# Altium PCB 哨兵1号.PcbDoc
Units mm, origin at the board's own origin, x right, y up, seen from the top; angles counter-clockwise.
Board outline 93.6 x 73.28 mm, 2 copper layers (Top Layer, Bottom Layer); 52 components, 56 nets, 206 pads, 78 vias.
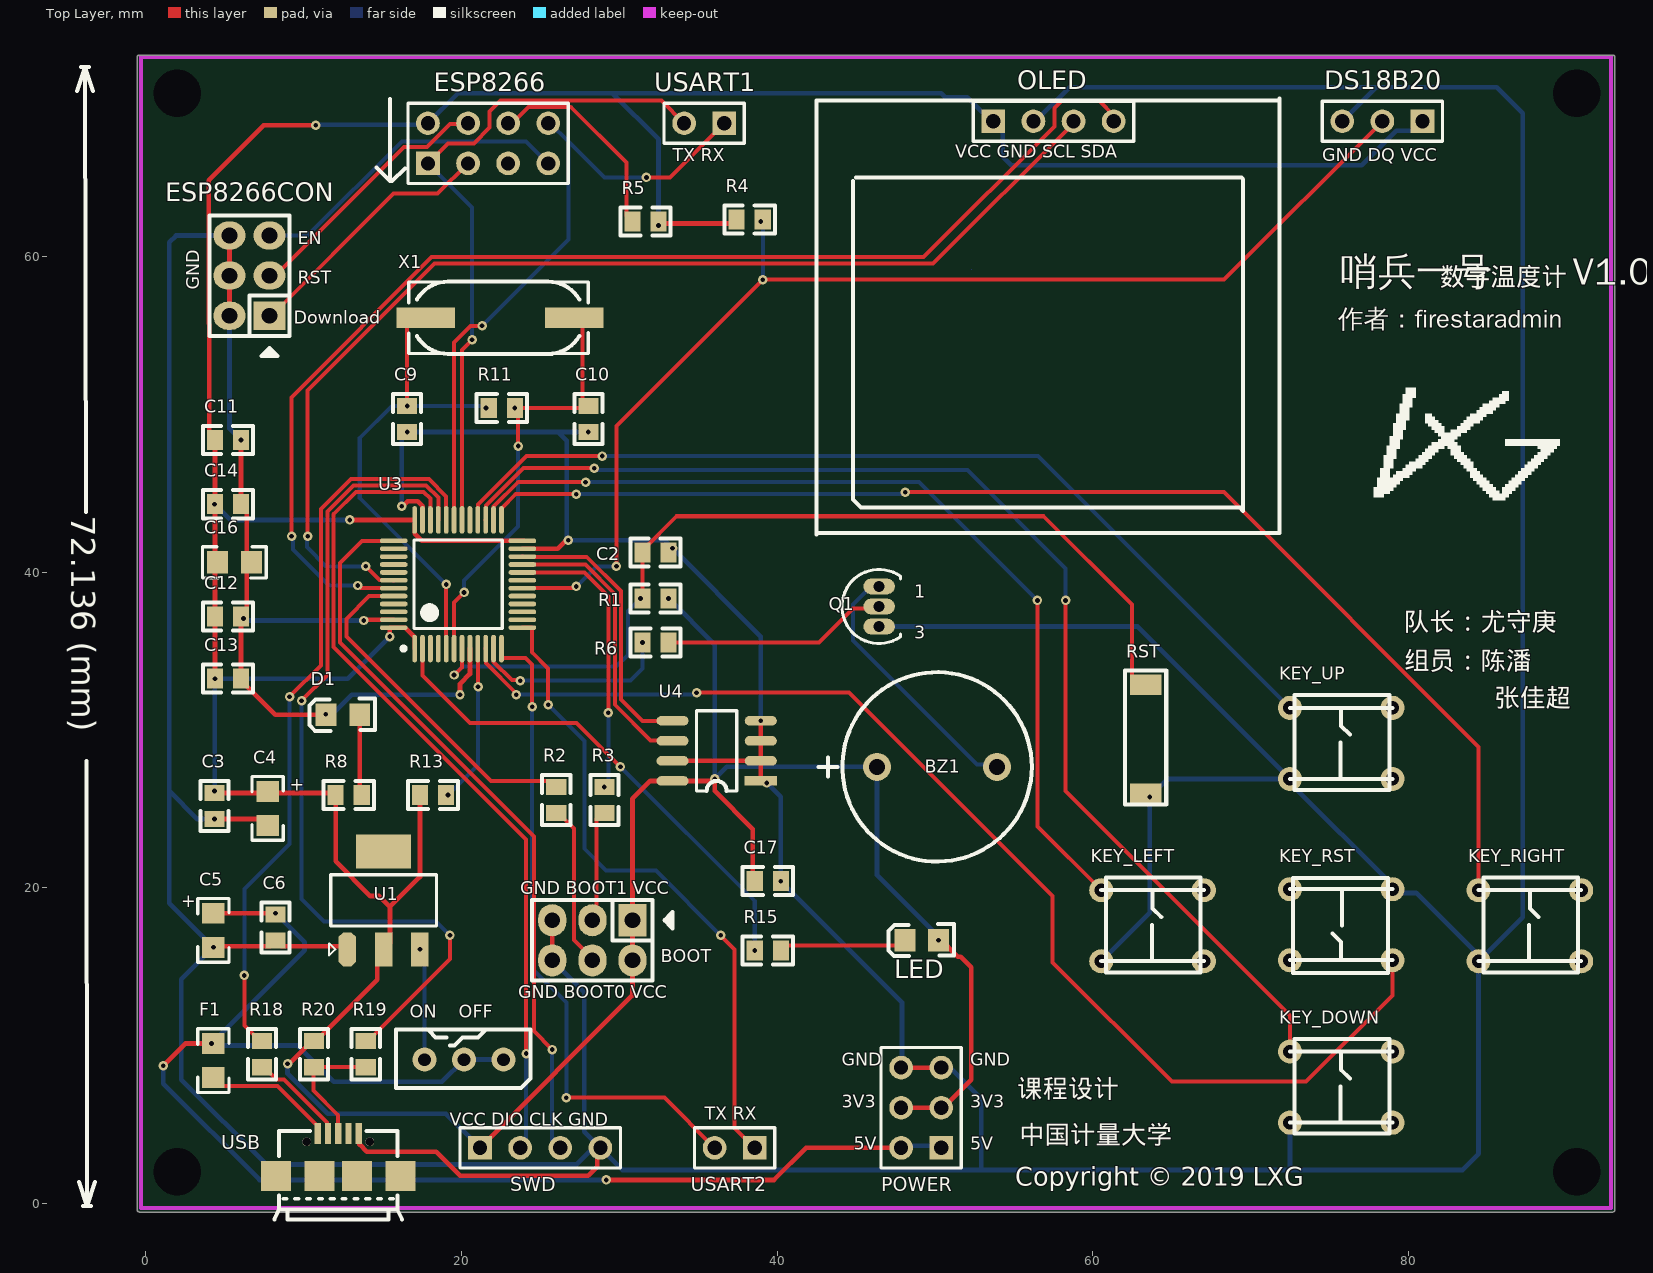
[diagram p0: Top Layer view]
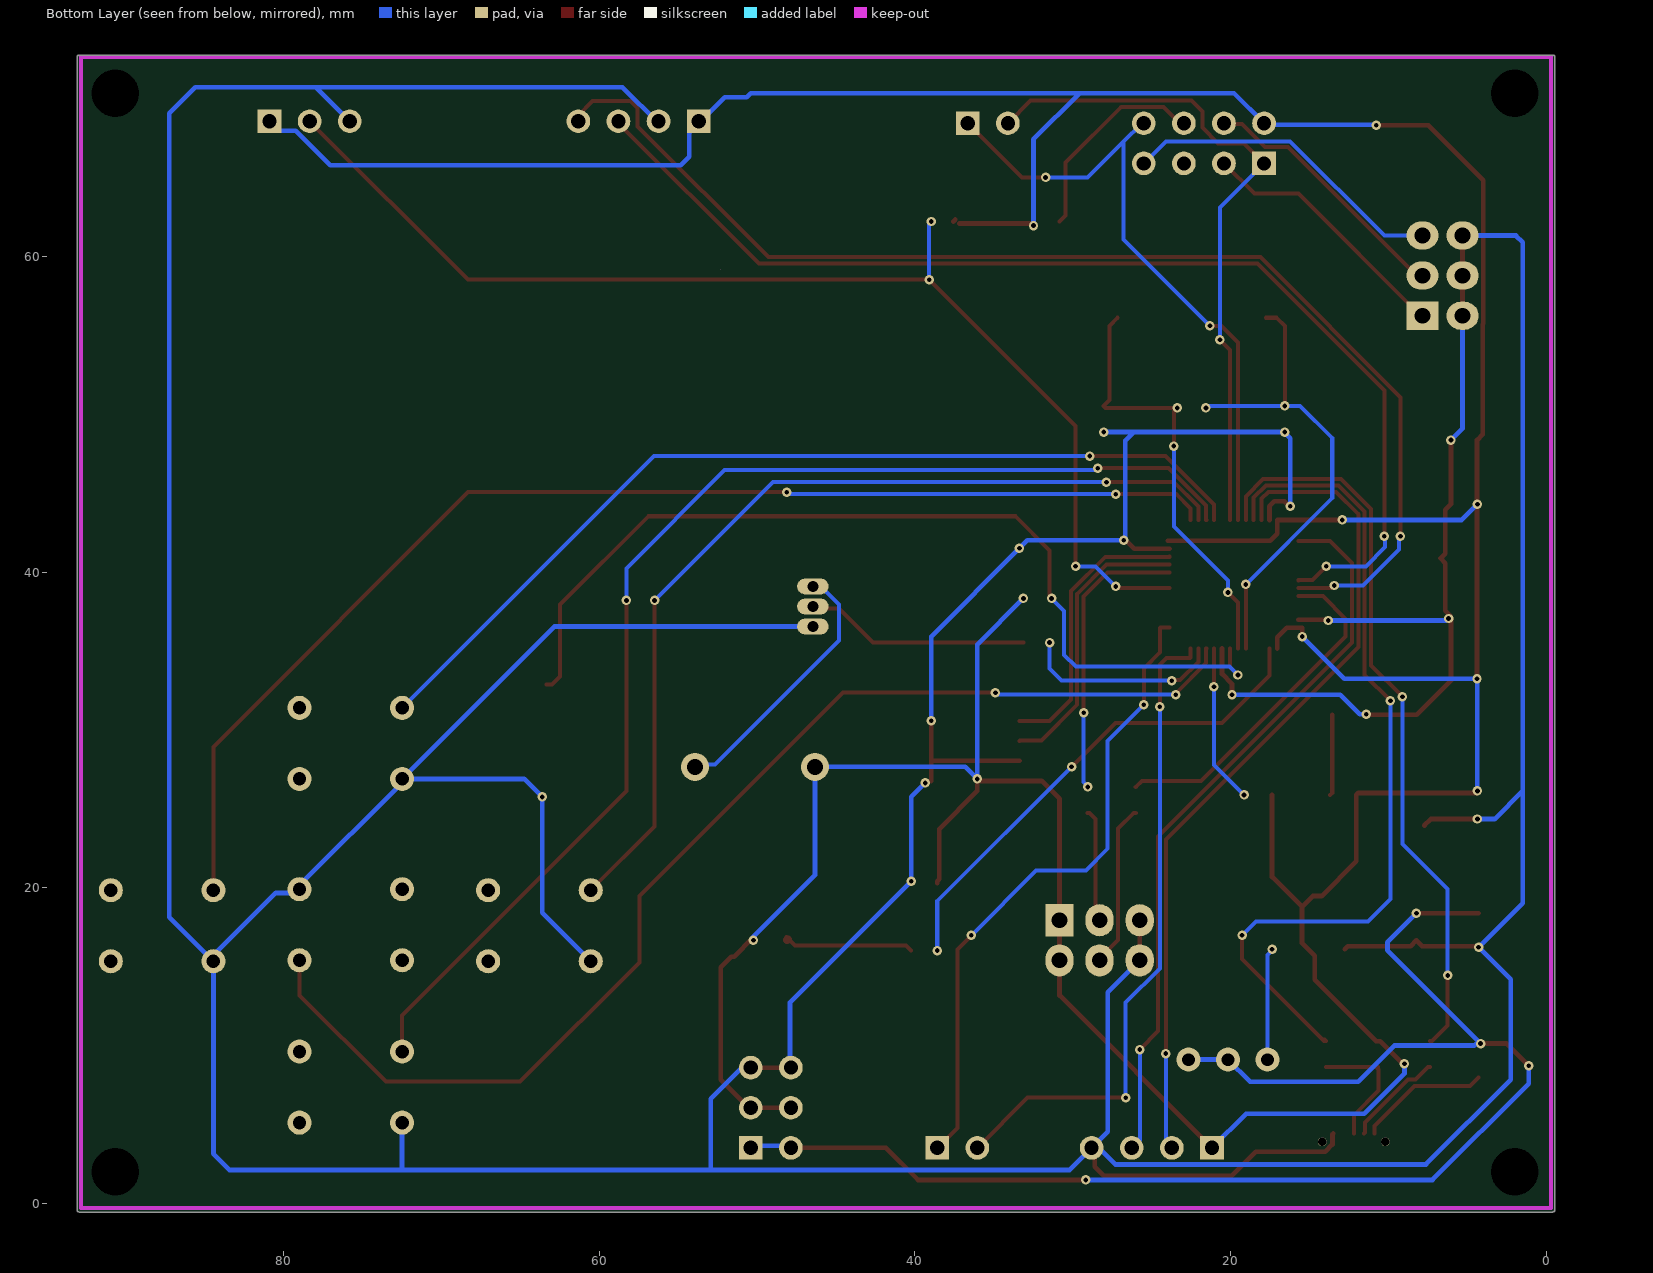
[diagram p1: Bottom Layer view, seen from below]

## Layer stack, top to bottom
Top Solder: solder mask 0.0102, Solder Resist, Dk 3.5
Top Layer: signal copper 0.0356
Dielectric 1: dielectric 0.32, FR-4, Dk 4.8
Bottom Layer: signal copper 0.0356
Bottom Solder: solder mask 0.0102, Solder Resist, Dk 3.5

## Board outline
-0.52,-0.346 cw(c-0.409,-0.282) -0.537,-0.282 -0.537,72.616 cw(c-0.409,72.616) -0.409,72.743 92.936,72.743 cw(c92.936,72.616) 93.063,72.616 93.063,-0.409 cw(c92.936,-0.409) 92.936,-0.537 -0.409,-0.537 cw(c-0.409,-0.409)
cut-out: 52.296,59.154

## Design rules (kind name [scope] priority, off if disabled: settings)
Clearance [All] p1: gap=0.15 ignorepadtopadclearanceinfootprint=FALSE
PolygonConnect [All] p1: connectstyle=Relief reliefconductorwidth=0.254 reliefentries=4 polygonreliefangle="90 Angle" airgapwidth=0.254
RoutingVias [All] p1: holewidth=0.254 width=0.508 viastyle="Through Hole" minholewidth=0.254 minwidth=0.508 maxholewidth=0.711 maxwidth=1.27
SilkToSilkClearance [All] p1: silktosilkclearance=0.05
SilkToSolderMaskClearance [IsPad] p1: minsilkscreentomaskgap=0.05 clearancetoexposedcopper=TRUE
SolderMaskExpansion [All] p1: expansion=0.102
Width 5V [InNet('5V')] p1: maxlimit=0.3 minlimit=0.15 preferedwidth=0.3
Width GND [InNet('GND')] p2: maxlimit=0.3 minlimit=0.15 preferedwidth=0.3
Width 3V3 [InNet('VBAT')] p3: maxlimit=0.3 minlimit=0.3 preferedwidth=0.3
Width Net [All] p4: maxlimit=0.254 minlimit=0.15 preferedwidth=0.254
28 further rules are at their usual default settings.

## Components (designator, comment, footprint, x,y, rotation, side; value= is the part's Value field where it differs from the comment)
BOOT "HDR2x3" PIN-2x3-2.54-1.0 28.293,16.673 r180 top
BZ1 "BUZZER" BUZZER_12*9.5_pin_7.6mm 46.327,27.658 r0 top
C2 "104" RC0603 31.468,41.247 r0 top value=100nF
C3 "104" RC0603 4.366,26.007 r270 top
C4 "10uF" RC0805 7.719,26.108 r270 top
C5 "10uF" RC0805 4.29,18.387 r270 top
C6 "104" RC0603 8.227,18.313 r270 top
C9 "22pF" RC0603 16.565,50.518 r270 top value=20pF
C10 "22pF" RC0603 28.039,50.518 r270 top value=20pF
C11 "104" RC0603 4.391,48.359 r0 top value=100nF
C12 "104" RC0603 4.391,37.183 r0 top value=100nF
C13 "104" RC0603 4.391,33.246 r0 top value=100nF
C14 "104" RC0603 4.391,44.295 r0 top value=100nF
C16 "10uF" RC0805 4.544,40.612 r0 top
C17 "104" RC0603 40.231,20.419 r180 top
D1 "LED0" LED0805 13.561,30.96 r0 top
DS18B20 "Header 3" HDR1X3 80.871,68.552 r180 top
ESP8266 "Header 4X2" HDR2X4 17.879,65.885 r0 top
ESP8266CON "HDR2x3" PIN-2x3-2.54-1.0 6.576,58.773 r90 top
F1 "500mA" RC0805 4.29,10.132 r270 top
KEY_DOWN "KEY-4P" KEY_6.5x4.5 72.477,5.124 r0 top
KEY_LEFT "KEY-4P" KEY_6.5x4.5 60.528,15.347 r0 top
KEY_RIGHT "KEY-4P" KEY_6.5x4.5 84.427,15.347 r0 top
KEY_RST "KEY-4P" KEY_6.5x4.5 78.977,19.911 r180 top
KEY_UP "KEY-4P" KEY_6.5x4.5 72.477,26.896 r0 top
LED "LED0" LED0805 50.22,16.687 r0 top (schematic designator D2)
OLED "OLED_IIC" OLED_IIC 42.503,42.379 r0 top
"ON    OFF" "Switch_3P_2.5mmjianju" Switch_3p_2.5mmjianju 22.665,9.116 r90 top (schematic designator Switch)
POWER "Header 3X2" IDE3X2-2.54 50.391,3.528 r90 top (schematic designator Power)
Q1 "NPN" TO-92 46.454,37.818 r0 top
R1 "10K" RC0603 31.468,38.326 r0 top
R2 "10K" RC0603 26.007,26.388 r270 top
R3 "10K" RC0603 29.055,24.737 r90 top
R4 "4.7K" RC0603 37.437,62.329 r0 top
R5 "4.7K" RC0603 32.484,62.202 r180 top
R6 "1K" RC0603 33.119,35.532 r180 top
R8 "510R" RC0603 13.688,25.88 r180 top
R11 "1M" RC0603 23.381,50.391 r180 top
R13 "0R" RC0603 19.022,25.88 r180 top
R15 "510R" RC0603 38.58,16.022 r0 top
R18 "22R" RC0603 7.371,10.284 r270 top
R19 "22R" RC0603 13.942,10.284 r270 top
R20 "1.5K" RC0603 10.657,10.284 r270 top
RST "SW-SPST" SMT-KEY 63.345,32.865 r180 top (schematic designator S1)
SWD "SWD" HDR1X4 21.181,3.528 r0 top
U1 "AMS1117-3.3" SOT223 12.771,16.101 r0 top
U3 "STM32F103C8T6" LQFP48 17.038,35.151 r0 top
U4 "AT24C04" SOIC-8P 38.961,26.769 r90 top
USART1 "Header 2" HDR1X2 36.645,68.425 r180 top
USART2 "Header 2" HDR1X2 38.58,3.528 r180 top
USB "USB Slave_c" "MICRO USB CONNECTOR TYPEB-ST-MC-5F-01" 12.196,0.309 r0 top
X1 "8M" SMD49S 27.15,56.106 r180 top value=8MHz

## Footprints (in the part's own frame and the unit in brackets; to place one, negate y for a bottom-side part, rotate by r counter-clockwise, add the part's x,y. Pads: shape width x height; smd on the part's side, far side on the other; paste and mask are expansions set on the pad)
BUZZER_12*9.5_pin_7.6mm [mil]
  round 70 hole 39.37: 1(0,0) 2(299.21,0)
  silkscreen extent -146,-236 386,236, body extent -83,-240 390,232, height 339
HDR1X2 [mm] "Connector; Header; 2 Position"
  rect 1.5x1.5 hole 0.9: 1(0,0)
  round 1.5 hole 0.9: 2(2.54,0)
  silkscreen extent -1.27,-1.27 3.81,1.27
HDR1X3 [mm] "Connector; Header; 3 Position"
  rect 1.5x1.5 hole 0.9: 1(0,0)
  round 1.5 hole 0.9: 2(2.54,0) 3(5.08,0)
  silkscreen extent -1.27,-1.27 6.35,1.27
HDR1X4 [mm] "Connector; Header; 4 Position"
  rect 1.5x1.5 hole 0.9: 1(0,0)
  round 1.5 hole 0.9: 2(2.54,0) 3(5.08,0) 4(7.62,0)
  silkscreen extent -1.27,-1.27 8.89,1.27
HDR2X4 [mm] "Connector; Header; 4x2 Position"
  rect 1.5x1.5 hole 0.9: 1(0,0)
  round 1.5 hole 0.9: 2(0,2.54) 3(2.54,0) 4(2.54,2.54) 5(5.08,0) 6(5.08,2.54) 7(7.62,0) 8(7.62,2.54)
  silkscreen extent -1.27,-1.27 8.89,3.81
IDE3X2-2.54 [mm]
  rect 1.5x1.5 hole 0.9: 1(0,0)
  round 1.5 hole 0.9: 2(0,2.54) 3(2.54,0) 4(2.54,2.54) 5(5.08,0) 6(5.08,2.54)
  silkscreen extent -1.27,-1.27 6.35,3.81
KEY_6.5x4.5 [mm]
  round 1.524 hole 0.85: 1(0,4.5) 2(6.5,4.5) 3(0,0) 4(6.5,0)
  silkscreen extent 0,-0.7 6.5,5.3
LED0805 [mil]
  rect 52x56 smd: 1(0,0) 2(-84,0)
  Top Layer lines w20: -86,2 -84,0
  silkscreen extent -125,-40 38,40
LQFP48 [mm]
  oval 0.3x1.75 smd: 1(0,0) 2(0.5,0) 3(1,0) 4(1.5,0) 5(2,0) 6(2.5,0) 7(3,0) 8(3.5,0) 9(4,0) 10(4.5,0) 11(5,0) 12(5.5,0) 25(5.5,8.15) 26(5,8.15) 27(4.5,8.15) 28(4,8.15) 29(3.5,8.15) 30(3,8.15) 31(2.5,8.15) 32(2,8.15) 33(1.5,8.15) 34(1,8.15) 35(0.5,8.15) 36(0,8.15)
  oval 1.75x0.3 smd: 13(6.825,1.325) 14(6.825,1.825) 15(6.825,2.325) 16(6.825,2.825) 17(6.825,3.325) 18(6.825,3.825) 19(6.825,4.325) 20(6.825,4.825) 21(6.825,5.325) 22(6.825,5.825) 23(6.825,6.325) 24(6.825,6.825) 37(-1.325,6.825) 38(-1.325,6.325) 39(-1.325,5.825) 40(-1.325,5.325) 41(-1.325,4.825) 42(-1.325,4.325) 43(-1.325,3.825) 44(-1.325,3.325) 45(-1.325,2.825) 46(-1.325,2.325) 47(-1.325,1.825) 48(-1.325,1.325)
  silkscreen extent -0.82,-0.12 5.55,6.88
"MICRO USB CONNECTOR TYPEB-ST-MC-5F-01" [mm] "Micro USB Connector, Type B, ST-MC-5F-01"
  round 0.55 hole 0.55 unplated: 0(-2,3.6) 0(2,3.6)
  rect 0.4x1.35 smd: 1(-1.3,4.125) 2(-0.65,4.125) 3(0,4.125) 4(0.65,4.125) 5(1.3,4.125)
  rect 1.9x1.9 smd: 6(-3.95,1.45) 7(3.95,1.45) 8(-1.2,1.45) 9(1.2,1.45)
  silkscreen extent -4.05,-1.33 4.05,4.3, body extent -3.99,-1.13 3.99,4.3, height 2.72
OLED_IIC [mm]
  rect 1.5x1.5 hole 0.9: 1(11.19,26.173)
  round 1.5 hole 0.9: 2(13.73,26.173) 3(16.27,26.173) 4(18.81,26.173)
  silkscreen extent 0,0 29.3,27.6
PIN-2x3-2.54-1.0 [mil] "Pin Header"
  rect 70x80 hole 39.37: 1(-100,-50)
  oval 70x80 hole 39.37: 2(-100,50) 3(0,-50) 4(0,50) 5(100,-50) 6(100,50)
  silkscreen extent -200,-100 150,100, body extent -150,-100 150,100, height 398
RC0603 [mil]
  rect 40x50 smd: 1(0,0) 2(65,0)
  silkscreen extent -30,-35 95,35
RC0805 [mil]
  rect 52x56 smd: 1(0,0) 2(85,0)
  silkscreen extent -37,-39 122,39
SMD49S [mil]
  rect 146x51 smd: 1(0,0) 2(370,0)
  silkscreen extent -35,-90 413,90
SMT-KEY [mm]
  rect 2x1.3 smd paste+0 mask+0.2: 1(0,0) 2(0,6.9)
  silkscreen extent -1.3,-0.89 1.3,7.6
SOIC-8P [mil]
  rect 24x80 smd mask+3: 1(0,0)
  oval 24x80 smd mask+3: 2(50,0) 3(100,0) 4(150,0) 5(150,220) 6(100,220) 7(50,220) 8(0,220)
  silkscreen extent -25,60 175,160
SOT223 [mm]
  oct 1.1x2.15 smd: 1(0,0)
  rect 1.1x2.15 smd: 2(2.3,0) 3(4.6,0)
  rect 3.5x2.15 smd: 4(2.3,6.2)
  silkscreen extent -1.14,-0.38 5.65,4.72
Switch_3p_2.5mmjianju [mil]
  round 60 hole 31.5: 1(0,0) 2(0,98.43) 3(0,196.85)
  silkscreen extent -71,-67 75,268
TO-92 [mm] "TO, Flat Index; 3 In-Line, Axial Leads; Body Dia. 4.6mm; Leads 0.41 x 0.39 mm (max)"
  oval 2x1 hole 0.7: 1(0,1.27) 2(0,0) 3(0,-1.27)
  silkscreen extent -2.34,-2.34 1.35,2.34

## Part data
BOOT ESP8266CON: "Connector"
BZ1: "Buzzer"
C2 C9 C10 C11 C12 C13 C14: library part CAP1, "Capacitor", Tolerate=50V, PCB_Layout="Top Layer SMC", Publisher=ZL_A0OFFICE, Revision=2012-3-28
  C2 C11 C12 C13 C14: ERP=0103020075, TOL=10%
  C9 C10: ERP=0103020090, TOL=2%
C3 C17: library part Cap, "Capacitor"
  C3: LatestRevisionDate=17-Jul-2002, LatestRevisionNote="Re-released for DXP Platform.", PackageReference=RAD-0.3, Published=8-Jun-2000, Publisher="Altium Limited"
C4: library part "CAPACITOR POL", "Capacitor"
C5 C16: library part ELECTRO2
C6: library part CAP, "Capacitor"
D1 LED: "Typical INFRARED GaAs LED"
DS18B20: "Header, 3-Pin", LatestRevisionDate=17-Jul-2002, LatestRevisionNote="Re-released for DXP Platform.", Publisher="Altium Limited"
ESP8266: "Header, 4-Pin, Dual row", LatestRevisionDate=17-Jul-2002, LatestRevisionNote="Re-released for DXP Platform.", Publisher="Altium Limited"
F1 R6 R18 R19 R20: library part Res2, "Resistor"
KEY_DOWN KEY_LEFT KEY_RIGHT KEY_RST KEY_UP: "Key"
POWER: "Header, 3-Pin, Dual row", LatestRevisionDate=17-Jul-2002, LatestRevisionNote="Re-released for DXP Platform.", Publisher="Altium Limited"
Q1: "NPN Bipolar Transistor", Code_JEDEC=TO-226-AA, LatestRevisionDate=17-Jul-2002, LatestRevisionNote="Re-released for DXP Platform.", PackageDescription="TO, Flat Index; 3 In-Line, Axial Leads; Body Dia. 4.8mm; Leads 0.55 x 0.51 mm (max)", PackageReference=TO-226-AA, Published=8-Jun-2000, Publisher="Altium Limited"
R1 R2 R3 R4 R5 R8 R11 R13 R15: library part R
RST: "Single-Pole, Single-Throw Switch"
SWD: library part "Header 4", "Header, 4-Pin", LatestRevisionDate=17-Jul-2002, LatestRevisionNote="Re-released for DXP Platform.", Publisher="Altium Limited"
U1: library part LT1085CM-3.3
U4: library part EPROM
USART1 USART2: "Header, 2-Pin", LatestRevisionDate=17-Jul-2002, LatestRevisionNote="Re-released for DXP Platform.", Publisher="Altium Limited"
USB: library part "MICRO USB CONNECTOR TYPEB", "USB Connector"
X1: library part XTAL_SMD, "Crystal Oscillator", Tolerate="ROSON -20_+70 20pf", ERP=0103040021, PCB_Layout="Top Layer SMC", Publisher=ZL_A0OFFICE, Revision=2012-3-28, TOL=±20ppm

## Free pads (board coordinates)
  round 1.524 hole 3: 2(2.004,70.33) 3(90.65,70.33) 4(90.65,2.004) 5(2.004,2.004)

## Via types
v1: diameter 0.6, hole 0.3, Top Layer to Bottom Layer, 78 vias

## Nets (pads, with @x,y where several pads share a name; then routed paths per layer and width w, separated by ;. In a path a pad name is that pad's centre, name@x,y a point inside that pad or via, vN(x,y) a via of type N, cw(c..) or ccw(c..) an arc to the next point about the centre after c; other vN are vias at no path point)
5V: "ON    OFF.1" "ON    OFF.2" C5.1 C6.1 F1.1 POWER.1 POWER.2 | length 92.6
  Top Layer w0.3: v1(1.115,8.735) 2.512,10.132 v1(4.163,10.132) ; C5.1 8.153,18.387 C6.1 ; v1(29.182,1.496) 39.799,1.496 41.831,3.528 POWER.2
  Bottom Layer w0.3: v1(1.115,8.735) 1.115,7.592 7.211,1.496 v1(29.182,1.496) ; v1(8.227,18.387) 10.068,16.545 10.068,16.037 v1(4.163,10.132) 4.202,10.092 4.479,10.092 4.567,10.005 9.624,10.005 11.91,7.719 18.768,7.719 20.165,9.116 22.665,9.116 ; POWER.2@48.232,3.655 POWER.1@50.441,3.655
AT24C02_SCL: U3.21 U4.6 | length 18.3
  Top Layer w0.254: U3.21 23.871,40.467 27.866,40.467 29.713,38.62 29.713,31.595 31.976,29.332 33.35,29.332 U4.6
AT24C02_SDA: U3.22 U4.5 | length 17.8
  Top Layer w0.254: U3.22 23.871,40.967 27.937,40.967 30.117,38.788 30.117,31.93 31.468,30.579 U4.5
BOOT0: R2.1 U3.44 | length 21.9
  Top Layer w0.254: U3.44 14.161,38.476 12.718,37.032 12.718,35.913 21.862,26.769 25.626,26.769 R2.1
BOOT1: R3.2 U3.20 | length 18.2
  Top Layer w0.254: U3.20 23.871,39.967 27.795,39.967 29.309,38.453 v1(29.309,31.087)
  Bottom Layer w0.254: v1(29.055,26.388) 29.055,26.456 29.309,26.71 v1(29.309,31.087)
BUZZER1: R6.2 U3.11 | length 12.7
  Top Layer w0.254: U3.11 22.046,35.142 22.046,34.313 23.192,33.167 23.672,33.167 v1(23.721,33.119)
  Bottom Layer w0.254: v1(23.721,33.119) 30.706,33.119 31.468,33.881 v1(31.468,35.532)
ESP_CHPD: ESP8266.6 R5.2 | length 13.3
  Top Layer w0.254: ESP8266.6 23.002,68.468 23.256,68.468 24.24,69.452 26.925,69.452 30.452,65.925 30.452,62.583 R5.2
ESP_GND: ESP8266.7 ESP8266CON.5 | length 20.7
  Bottom Layer w0.254: ESP8266CON.5 10.259,61.313 16.228,67.282 24.102,67.282 ESP8266.7
ESP_GPIO0: ESP8266.3 ESP8266CON.1 | length 16.6
  Top Layer w0.254: ESP8266CON.1 7.973,56.233 15.704,63.964 18.498,63.964 ESP8266.3
ESP_GPIO2: ESP8266.5
ESP_RST: ESP8266.4 ESP8266CON.3 | length 16.6
  Top Layer w0.254: ESP8266CON.3 8.216,58.773 16.355,66.912 17.818,66.912 19.288,68.381 20.375,68.381 ESP8266.4
GND: BOOT.5 BOOT.6 C2.2 C3.2 C4.2 C5.2 C6.2 C9.2 C10.2 C11.2 C12.2 C13.2 C14.2 C16.2 C17.1 D1.2 DS18B20.3 ESP8266CON.2 ESP8266CON.4 ESP8266CON.6 KEY_DOWN.3 KEY_LEFT.3 KEY_RIGHT.3 KEY_RST.3 KEY_UP.3 OLED.2 POWER.5 POWER.6 Q1.3 RST.2 SWD.4 U1.1 U3.8 U3.23 U3.35 U3.47 U4.1 U4.2 U4.3 U4.4 U4.7 USB.5 | length 516.1
  Top Layer w0.3: v1(4.29,16.228) 4.366,16.304 7.869,16.304 C6.2 8.585,16.304 12.567,16.304 U1.1 ; v1(4.366,24.356) 7.312,24.356 C4.2 ; ESP8266CON.2 ESP8266CON.4 ESP8266CON.6 ; C12.2@6.042,37.056 C13.2 6.042,33.119 8.201,30.96 D1.2 ; v1(6.042,48.359) C14.2 6.4,43.937 6.4,41.168 6.703,40.866 6.4,40.563 6.4,37.541 C12.2@6.055,37.195 ; USB.5 13.546,4.384 13.546,3.745 14.017,3.274 18.396,3.274 19.911,1.759 28.039,1.759 28.608,2.328 28.608,3.335 SWD.4 ; v1(13.815,36.929) 13.871,36.929 13.918,36.976 U3.47 ; v1(16.228,44.168) 16.284,44.168 16.592,44.476 17.224,44.476 17.538,44.162 U3.35 ; v1(19.911,32.23) 19.911,32.915 20.538,33.542 U3.8 ; U3.23 26.109,41.476 26.642,42.009 v1(26.769,42.009) ; BOOT.6 BOOT.5 ; U4.7 U4.2 ; U4.1 U4.2 ; v1(38.961,30.579) U4.3 U4.2 ; POWER.6@47.901,8.608 POWER.5@50.441,8.608
  Bottom Layer w0.3: v1(4.366,24.356) 3.274,24.356 1.496,26.134 ; ESP8266CON.2 5.306,49.095 v1(6.042,48.359) ; ESP8266CON.6 1.925,61.313 1.496,60.883 1.496,26.134 ; v1(6.195,37.056) 6.251,37.056 6.378,36.929 v1(13.815,36.929) ; v1(11.402,30.985) 11.808,30.985 13.053,32.23 v1(19.911,32.23) ; v1(16.228,44.168) 16.228,48.473 16.565,48.81 v1(16.565,48.867) 26.134,48.867 ; BOOT.6 27.785,13.371 27.785,4.544 SWD.4 ; BOOT.5 BOOT.5@25.753,18.07 ; v1(28.039,48.867) 26.134,48.867 ; v1(38.961,30.579) 38.961,35.913 v1(33.373,41.501) 32.865,42.009 v1(26.769,42.009) 26.677,42.101 26.677,48.324 26.134,48.867 ; v1(39.342,26.642) 40.231,25.753 v1(40.231,20.419) 47.901,12.748 47.901,9.116 POWER.6@47.756,8.971 ; Q1.3 62.825,36.548 KEY_UP.3 ; POWER.5@50.441,9.116 52.931,6.626 52.931,2.131 ; OLED.2@56.233,68.425 58.519,70.711 77.95,70.711 ; KEY_LEFT.3 63.599,18.418 v1(63.599,25.753) 64.742,26.896 KEY_UP.3 ; KEY_DOWN.3 72.477,2.246 72.362,2.131 ; DS18B20.3 77.95,70.711 ; 1.496,26.134 1.496,19.022 v1(4.29,16.228) 2.258,14.196 2.258,7.846 7.626,2.478 27.311,2.478 28.131,3.298 28.571,3.298 SWD.4 ; SWD.4 30.198,2.131 52.931,2.131 ; 52.931,2.131 72.362,2.131 ; 72.362,2.131 72.477,2.131 83.411,2.131 84.427,3.147 KEY_RIGHT.3 ; KEY_UP.3 72.477,26.653 78.977,20.153 KEY_RST.3 79.211,19.676 80.47,19.676 84.427,15.72 KEY_RIGHT.3 ; 77.95,70.711 85.57,70.711 87.221,69.06 87.221,18.141 KEY_RIGHT.3
KEY_DOWN: KEY_DOWN.1 U3.27 | length 77.6
  Top Layer w0.254: U3.27 21.546,43.309 21.546,44.21 23.917,46.581 v1(28.42,46.581) ; v1(58.265,38.199) 58.265,26.134 72.477,11.921 KEY_DOWN.1
  Bottom Layer w0.254: v1@28.547,46.454 52.042,46.454 58.265,40.231 v1(58.265,38.199)
KEY_LEFT: KEY_LEFT.1 U3.26 | length 59.1
  Top Layer w0.254: U3.26 22.046,43.309 22.046,44.138 23.6,45.692 v1(27.866,45.692) ; v1(56.487,38.199) 56.487,23.888 KEY_LEFT.1
  Bottom Layer w0.254: v1(27.866,45.692) 48.994,45.692 v1(56.487,38.199)
KEY_RIGHT: KEY_RIGHT.1 U3.25 | length 78.8
  Top Layer w0.254: U3.25 22.538,44.026 23.442,44.93 v1(27.277,44.93) ; v1(48.105,45.057) 68.298,45.057 84.427,28.928 KEY_RIGHT.1
  Bottom Layer w0.254: v1(27.277,44.93) 47.978,44.93 v1(48.105,45.057)
KEY_RST: KEY_RST.1 U3.10 | length 76.4
  Top Layer w0.254: U3.10 21.546,35.142 21.546,34.242 23.467,32.321 v1(23.467,32.23) ; v1(34.897,32.357) 44.549,32.357 57.439,19.466 57.439,15.275 64.996,7.719 73.505,7.719 78.977,13.191 KEY_RST.1
  Bottom Layer w0.254: v1(23.467,32.23) 34.77,32.23 v1(34.897,32.357)
KEY_UP: KEY_UP.1 U3.28 | length 60.3
  Top Layer w0.254: U3.28 21.046,43.309 21.046,44.281 24.108,47.343 v1(28.928,47.343)
  Bottom Layer w0.254: v1(28.928,47.343) 56.53,47.343 KEY_UP.1
LED0: R15.1 U3.2 | length 31.8
  Top Layer w0.254: U3.2 17.546,35.142 17.546,33.451 20.546,30.452 27.277,30.452 v1(30.071,27.658)
  Bottom Layer w0.254: v1(30.071,27.658) 38.58,19.149 v1(38.58,16.022)
NetBOOT_3: BOOT.3 R3.1 | length 7.2
  Top Layer w0.254: BOOT.3 28.547,18.197 28.547,24.356 28.928,24.737 R3.1
NetBOOT_4: BOOT.4 R2.2 | length 10.4
  Top Layer w0.254: R2.2 26.134,24.737 27.127,23.744 27.127,16.696 28.293,15.53 BOOT.4
NetBZ1_2: BZ1.2 Q1.1 | length 16.8
  Bottom Layer w0.254: Q1.1 45.954,39.088 44.803,37.937 44.803,35.659 52.657,27.805 53.78,27.805 BZ1.2
NetC9_1: C9.1 R11.2 U3.5 X1.2 | length 31.1
  Top Layer w0.254: C9.1@16.692,50.391 v1(16.565,50.518) 16.565,55.585 17.085,56.106 X1.2 ; U3.5 v1(19.038,39.215)
  Bottom Layer w0.254: v1(19.038,39.215) 13.561,44.692 13.561,48.486 15.593,50.518 v1(16.565,50.518) 21.366,50.518 21.493,50.391 v1(21.562,50.391)
NetC10_1: C10.1 R11.1 U3.6 X1.1 | length 27.7
  Top Layer w0.254: U3.6 19.538,38.08 v1(20.165,38.707) ; v1(23.594,47.978) 23.594,50.178 v1(23.381,50.391) 27.912,50.391 C10.1 27.67,50.886 27.67,55.585 X1.1
  Bottom Layer w0.254: v1(20.165,38.707) 20.165,39.469 23.594,42.898 v1(23.594,47.978)
NetD1_1: D1.1 R8.1 | length 5.1
  Top Layer w0.254: D1.1 13.561,26.007 R8.1
NetD2_2: LED.2 R15.2 | length 8.3
  Top Layer w0.254: R15.2 40.552,16.343 47.597,16.343 LED.2@48.13,16.877
NetF1_2: F1.2 USB.1 | length 8.4
  Top Layer w0.254: F1.2 4.823,7.439 8.365,7.439 10.896,4.909 USB.1
NetQ1_2: Q1.2 R6.1 | length 14.3
  Top Layer w0.254: R6.1 42.644,35.532 44.803,37.691 46.327,37.691 Q1.2
NetR18_2: R18.2 USB.2 | length 6.3
  Top Layer w0.254: R18.2 7.498,8.633 8.288,7.843 8.753,7.843 11.473,5.123 11.473,4.507 USB.2
NetR19_2: R19.2 R20.2 USB.3 | length 8.2
  Top Layer w0.254: R20.2 R20.2@10.784,8.633 ; USB.3 12.196,5.592 10.64,7.148 10.64,8.489 R20.2@10.784,8.633 ; R19.2 R20.2@10.784,8.633
NetSwitch_3: "ON    OFF.3" U1.3 | length 7.1
  Bottom Layer w0.254: v1(17.371,16.101) 17.371,16.032 17.665,15.738 17.665,9.116
NRST: C2.1 R1.1 RST.1 U3.7 | length 60.3
  Top Layer w0.254: v1(19.538,33.477) 20.029,33.968 20.029,35.142 U3.7 ; v1(31.341,38.326) 31.468,38.453 C2.1 31.468,41.374 33.627,43.533 56.868,43.533 62.472,37.929 62.472,33.388 62.995,32.865 RST.1
  Bottom Layer w0.254: v1(19.538,33.477) 20.069,34.008 29.795,34.008 30.543,34.756 30.543,37.528 v1(31.341,38.326)
OLED_SCL: OLED.3 U3.42 | length 71.8
  Top Layer w0.254: v1(10.259,42.263) 10.259,51.506 18.287,59.535 49.883,59.535 OLED.3@58.773,68.425 ; v1(13.942,40.358) 14.815,39.484 15.704,39.484 U3.42
  Bottom Layer w0.254: v1(10.259,42.263) 10.21,42.214 10.21,41.579 11.431,40.358 v1(13.942,40.358)
OLED_SDA: OLED.4 U3.43 | length 78.5
  Top Layer w0.254: v1(9.243,42.263) 9.243,51.062 18.12,59.939 49.271,59.939 57.566,68.234 57.566,69.377 58.011,69.822 60.424,69.822 61.313,68.933 OLED.4 OLED.4@61.313,68.425 ; v1(13.434,39.146) 13.604,38.976 U3.43
  Bottom Layer w0.254: v1(9.243,42.263) 9.321,42.184 9.321,41.422 11.597,39.146 v1(13.434,39.146)
PA2: U3.12 USART2.2 | length 41.7
  Top Layer w0.254: U3.12 22.538,34.574 22.559,34.553 24.065,34.553 24.483,34.135 v1(24.483,31.468) ; v1(26.642,6.703) 32.865,6.703 USART2.2
  Bottom Layer w0.254: v1(24.483,31.468) 24.483,14.897 26.642,12.738 v1(26.642,6.703)
PA3: U3.13 USART2.1 | length 41.2
  Top Layer w0.254: U3.13 24.439,36.476 24.461,36.454 24.461,34.919 25.499,33.881 v1(25.499,31.595) ; v1(36.421,16.99) 37.31,16.101 37.31,4.798 USART2.1
  Bottom Layer w0.254: v1(25.499,31.595) 27.785,29.309 27.785,22.472 29.157,21.1 32.311,21.1 v1(36.421,16.99)
PA4: U3.14
PA5: U3.15
PA6: U3.16
PA7: U3.17
PA8: U3.29
PA9: ESP8266.1 U3.30 USART1.2 | length 43.1
  Top Layer w0.254: ESP8266.1 19.149,67.155 20.8,67.155 21.788,68.143 21.788,69.159 22.485,69.856 32.674,69.856 USART1.2 ; U3.30 20.038,45.946 20.038,54.074 v1(20.673,54.709)
  Bottom Layer w0.254: ESP8266.1 20.673,63.091 v1(20.673,54.709)
PA10: ESP8266.8 U3.31 USART1.1 | length 41.4
  Top Layer w0.254: U3.31 19.538,46.954 19.53,46.962 19.53,54.54 20.587,55.598 v1(21.308,55.598) ; v1(31.722,64.996) 33.216,64.996 USART1.1
  Bottom Layer w0.254: v1(21.308,55.598) 26.769,61.059 26.769,67.282 ; ESP8266.8 25.626,68.425 26.769,67.282 ; v1(31.722,64.996) 29.055,64.996 26.769,67.282
PA11: R18.1 U3.32 | length 46.9
  Top Layer w0.254: v1(6.251,14.45) 6.251,11.278 7.244,10.284 R18.1 ; v1(9.116,32.103) 11.102,34.089 11.102,43.994 12.995,45.888 17.936,45.888 19.038,44.786 U3.32
  Bottom Layer w0.254: v1(6.251,14.45) 6.251,19.911 9.116,22.775 v1(9.116,32.103)
PA12: R19.1 U3.33 | length 54.1
  Top Layer w0.254: v1(9.878,31.849) 11.506,33.477 11.506,43.827 13.162,45.484 17.769,45.484 18.538,44.715 U3.33 ; R19.1@14.043,10.386 R19.1 14.069,10.284 19.276,15.491 v1(19.276,16.99)
  Bottom Layer w0.254: v1(9.878,31.849) 9.878,19.293 11.292,17.879 18.387,17.879 v1(19.276,16.99)
PB0: DS18B20.2 R4.2 U3.18 | length 75.7
  Top Layer w0.254: U3.18 27.096,38.976 27.208,39.088 v1(27.277,39.088) ; v1(29.817,40.358) 29.817,49.248 v1(39.088,58.519) 68.298,58.519 DS18B20.2
  Bottom Layer w0.254: v1(27.277,39.088) 28.547,40.358 v1(29.817,40.358) ; v1(38.961,62.202) 38.961,62.133 39.088,62.006 v1(39.088,58.519)
PB1: U3.19
PB5: U3.41
PB8: U3.45
PB9: U3.46
SWCLK: SWD.3 U3.37 | length 46.8
  Top Layer w0.254: U3.37 13.709,41.976 12.314,40.58 12.314,35.532 24.587,23.259 24.587,10.917 v1(25.753,9.751)
  Bottom Layer w0.254: v1(25.753,9.751) 25.753,4.036 SWD.3
SWDIO: SWD.2 U3.34 | length 53.6
  Top Layer w0.254: U3.34 18.038,44.644 17.602,45.08 13.33,45.08 11.91,43.66 11.91,35.238 24.102,23.046 v1(24.102,9.497)
  Bottom Layer w0.254: SWD.2 24.102,3.909 v1(24.102,9.497)
TDI/PA15: U3.38
TDO/PB3: U3.39
TRST/PB4: U3.40
VBAT: BOOT.1 BOOT.2 BZ1.1 C3.1 C4.1 C11.1 C12.1 C13.1 C14.1 C16.1 C17.2 DS18B20.1 ESP8266.2 LED.1 OLED.1 POWER.3 POWER.4 R1.2 R4.1 R5.1 R8.2 R13.2 R20.1 SWD.1 U1.2 U3.1 U3.24 U3.36 U3.48 U4.8 | length 315.3
  Top Layer w0.3: C3.1 11.91,26.007 R8.2 12.037,21.674 14.234,19.476 14.782,19.476 15.471,18.788 ; v1(4.391,33.246) C12.1 4.391,40.612 C14.1 C11.1 4.033,48.717 4.033,55.696 3.99,55.74 3.99,64.823 7.465,68.298 v1(10.767,68.298) ; v1(8.989,8.862) 9.107,8.862 10.53,10.284 R20.1 10.784,10.284 14.671,14.171 14.671,15.701 U1.2 15.471,16.501 15.471,18.788 ; v1(12.926,43.301) U3.36 17.038,42.439 17.501,41.976 U3.24 U3.24@23.975,41.976 ; v1(15.466,35.913) 15.466,36.476 U3.48 16.438,36.476 17.038,35.876 U3.1 ; R13.2 17.371,20.688 15.471,18.788 ; SWD.1 30.833,13.18 BOOT.2 BOOT.1 30.833,25.626 31.976,26.769 U4.8 35.856,26.769 35.983,26.896 v1(36.04,26.896) 36.04,26.134 38.453,23.721 38.453,20.546 C17.2 C17.2@38.58,20.292 ; R5.1@32.484,62.075 R4.1@37.183,62.075 ; R4.1 R4.1@37.564,62.202 ; POWER.4@47.901,6.576 48.409,6.068 POWER.3 50.518,6.068 52.296,7.846 52.296,14.958 51.617,15.636 51.453,15.636 LED.1@50.264,16.826 ; LED.1@50.22,16.637 v1(50.22,16.673)
  Bottom Layer w0.3: v1(4.366,26.134) 4.378,26.146 4.378,33.233 v1(4.391,33.246) 12.799,33.246 v1(15.466,35.913) ; v1(4.366,44.295) 5.36,43.301 v1(12.926,43.301) ; v1(8.989,8.862) 8.989,8.227 11.529,5.687 19.022,5.687 SWD.1 ; v1(10.767,68.298) 10.806,68.337 17.791,68.337 ESP8266.2 19.784,70.33 29.563,70.33 ; v1(32.484,61.948) 32.484,67.409 29.563,70.33 ; v1(33.119,38.326) 36.04,35.405 v1(36.04,26.896) 36.802,27.658 BZ1.1 46.327,20.8 v1@50.264,16.863 ; DS18B20.1 80.271,67.952 79.215,67.952 77.021,65.758 54.836,65.758 54.293,66.301 54.293,67.825 53.693,68.425 52.042,70.076 50.645,70.076 50.391,70.33 29.563,70.33
VDDA: R13.1 U3.9 | length 10.1
  Top Layer w0.254: U3.9 21.046,35.143 21.046,32.746 v1(21.054,32.738)
  Bottom Layer w0.254: v1(19.149,25.88) 21.054,27.785 v1(21.054,32.738)
pads on no net: KEY_DOWN.2 KEY_DOWN.4 KEY_LEFT.2 KEY_LEFT.4 KEY_RIGHT.2 KEY_RIGHT.4 KEY_RST.2 KEY_RST.4 KEY_UP.2 KEY_UP.4 U1.4 U3.3 U3.4 USB.0 USB.4 USB.6 USB.7 USB.8 USB.9

## Keep-outs
Keep-Out Layer:
  lines w0.254: -0.282,-0.282 92.809,-0.282 92.809,72.616 -0.282,72.616 -0.282,-0.282

## Silkscreen, mask and mechanical layers (free items; w line width, h text height)
Top Overlay:
  drawing of 14 lines, arcs and shapes, not listed
  text "TX RX" at 33.373,66.012 h0.8
  text "GND DQ VCC" at 74.521,66.012 h0.8
  text "EN" at 9.624,60.754 h0.8
  text "RST" at 9.624,58.265 h0.8
  text "GND" at 3.401,57.884 h0.8 r90
  text "数字温度计" at 81.963,57.757 h2
  text "哨兵一号       V1.0" at 75.664,57.63 h3
  text "Download" at 9.37,55.725 h0.8
  text "作者：firestaradmin" at 75.537,55.09 h2
  text "72.136 (mm)" at -4.703,43.554 h1.52 r270.1
  text "队长：尤守庚" at 79.728,35.913 h2
  text "组员：陈潘" at 79.728,33.443 h2
  text "张佳超" at 85.443,31.082 h2
  text "+" at 9.116,26.134 h0.8
  text "GND BOOT1 VCC" at 23.721,19.594 h0.8
  text "+" at 2.258,18.768 h0.8
  text "GND BOOT0 VCC" at 23.594,12.99 h0.8
  text "GND" at 44.091,8.735 h0.8
  text "GND" at 52.219,8.735 h0.8
  text "课程设计" at 55.217,6.322 h2
  text "3V3" at 44.091,6.068 h0.8
  text "3V3" at 52.219,6.068 h0.8
  text "TX RX" at 35.405,5.306 h0.8
  text "VCC DIO CLK GND" at 19.276,4.925 h0.8
  text "5V" at 44.853,3.401 h0.8
  text "5V" at 52.219,3.401 h0.8
  text "中国计量大学" at 55.344,3.401 h2
  text "Copyright © 2019 LXG" at 55.09,0.734 h2

## Text inside footprints (layer, text, board x,y; h text height)
OLED: Top Overlay "VCC GND SCL SDA" at 51.266,66.255 h0.8
Q1: Top Overlay "1" at 48.678,38.378 h0.8; Top Overlay "3" at 48.678,35.783 h0.8